# Altium PCB roach2.PcbDoc (part 30 of 39)
Units mil, origin at the board's own origin, x right, y up, seen from the top; angles counter-clockwise.
Board outline 12007.87 x 9606.3 mil, 16 copper layers (L1_TOP, L2_G, L3_S, L4_G, L5_S, L6_P, L7_G, L8_R, L9_R, L10_P, L11_P, L12_S, L13_P, L14_S, L15_G, L16_BOT), stack 81.651 mil thick; 1568 components, 1918 nets, 9251 pads, 6741 vias.
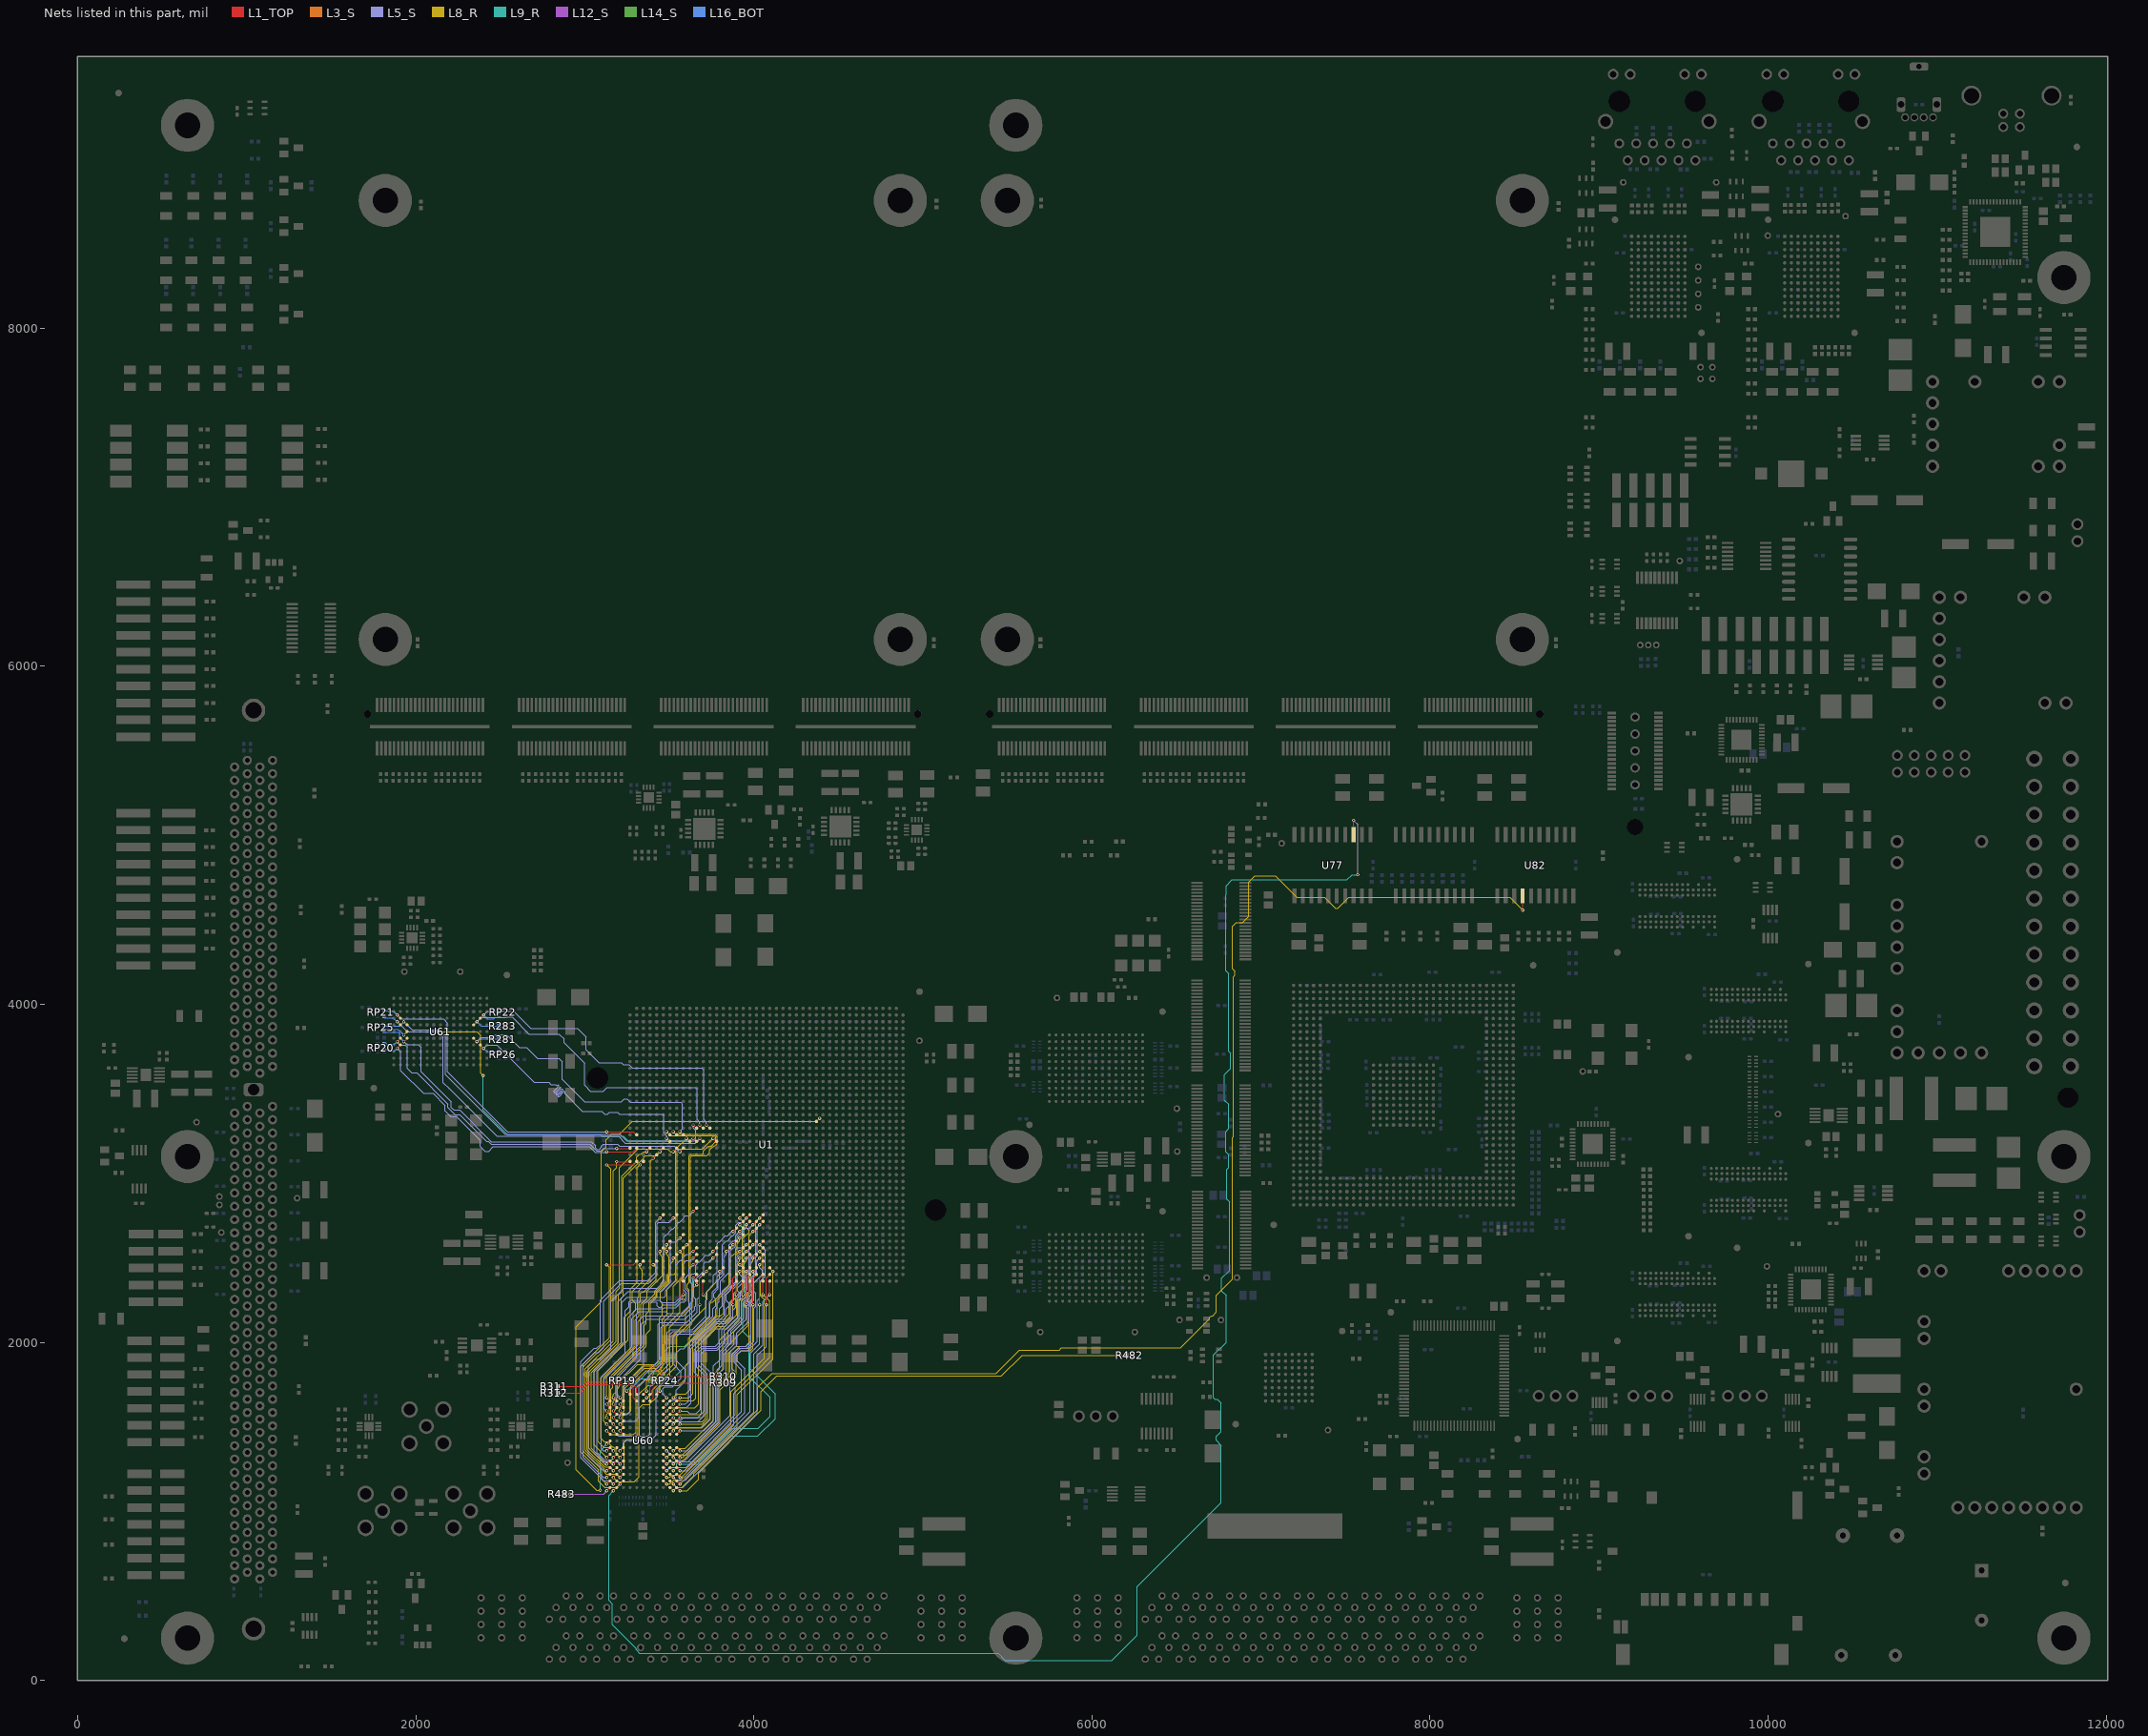
[diagram p44: the nets of this part, all layers, seen from the top]

## Via types
v1: diameter 19.4, hole 10, L1_TOP to L16_BOT, tented both sides, 3354 vias
v2: diameter 19.4, hole 10, L1_TOP to L16_BOT, 1954 vias
v3: diameter 19.4, hole 10, L1_TOP to L16_BOT, tented top, 429 vias
v4: diameter 18.6, hole 10, L1_TOP to L16_BOT, tented both sides, 311 vias
v5: diameter 59.06, hole 39.37, L1_TOP to L16_BOT, 217 vias
v6: diameter 19.4, hole 10.04, L1_TOP to L16_BOT, 125 vias
v7: diameter 19, hole 10, L1_TOP to L16_BOT, 93 vias
v8: diameter 19.4, hole 10, L1_TOP to L16_BOT, tented bottom, 80 vias
v9: diameter 25.98, hole 12.99, L1_TOP to L16_BOT, tented top, 55 vias
v10: diameter 20, hole 10, L1_TOP to L16_BOT, 53 vias
v11: diameter 59.06, hole 39.37, L1_TOP to L16_BOT, tented top, 44 vias
v12: diameter 20, hole 10, L1_TOP to L16_BOT, tented top, 16 vias
v13: diameter 19, hole 10, L1_TOP to L16_BOT, tented top, 5 vias
v14: diameter 25.98, hole 12.99, L1_TOP to L16_BOT, 4 vias
v15: diameter 50, hole 28, L1_TOP to L16_BOT, 1 vias

## Nets (pads, with @x,y where several pads share a name; then routed paths per layer and width w, separated by ;. In a path a pad name is that pad's centre, name@x,y a point inside that pad or via, vN(x,y) a via of type N, cw(c..) or ccw(c..) an arc to the next point about the centre after c; other vN are vias at no path point) (continued)
QDR2.BWN0: R309.1 U60.B7 | length 490.4
  L1_TOP w5: U60.B7@3385.83,1653.54 3405.51,1673.23 3405.51,1727.52 3437.99,1760 R309.1@3800.32,1760
QDR2.BWN1: R310.1 U60.A7 | length 488.4
  L1_TOP w5: U60.A7@3385.83,1692.6 3385.83,1742.83 3442.99,1800 R310.1@3800.32,1800
QDR2.BWN2: R311.1 U60.A5 | length 528.4
  L1_TOP w5: R311.1@2839.68,1740 2987.99,1740 3012.99,1765 3270,1765 3307.09,1727.91 U60.A5@3307.09,1692.6
QDR2.BWN3: R312.1 U60.B5 | length 561.3
  L1_TOP w5: R312.1@2839.68,1700 2970,1700 3021.65,1751.65 3263.35,1751.65 3287.4,1727.6 3287.4,1673.23 U60.B5@3307.09,1653.54
QDR2.D0: U1.AA41 U60.P10 | length 1562.3
  L1_TOP w5: U60.P10@3503.94,1181.1 v1(3523.62,1161.42) ; v2(4073.41,2222.29) 4073.41,2379.77 U1.AA41@4093.09,2399.46
  L5_S w3.8: v1(3523.62,1161.42) 3543.05,1141.99 3579.99,1141.99 4020.99,1582.99 4020.99,1921.99 4073.41,1974.41 v2(4073.41,2222.29)
QDR2.D1: U1.AB41 U60.N11 | length 1446.3
  L1_TOP w5: U60.N11@3543.31,1220.47 v1(3562.99,1200.79) ; v2(4034.53,2222.87) 4034.53,2380.35 U1.AB41@4054.22,2400.04
  L5_S w3.8: v1(3562.99,1200.79) 3563.2,1200.99 3589.99,1200.99 3977.99,1588.99 3977.99,1934.99 4034.53,1991.53 v2(4034.53,2222.87)
QDR2.D2: U1.AB36 U60.M11 | length 1699.2
  L1_TOP w5: U60.M11@3543.31,1259.84 v1(3562.99,1240.16) ; v1(4034.53,2577.2) U1.AB36@4054.22,2596.89
  L5_S w3.8: v1(3562.99,1240.16) 3602.16,1240.16 3947.99,1585.99 3947.99,1843.99 3902.56,1889.42 3902.56,1927.67 3925.89,1950.99 3964.99,1950.99 4018.93,2004.93 4018.93,2246.93 4032.99,2260.99 4032.99,2356.99 4067.99,2391.99 4067.99,2543.75 v1(4034.53,2577.2)
QDR2.D3: U1.AB33 U60.K10 | length 1720.6
  L1_TOP w5: U60.K10@3503.94,1338.58 v1(3523.62,1318.9) ; v1(4034.53,2695.31) U1.AB33@4054.22,2715
  L5_S w3.8: v1(3523.62,1318.9) 3539.59,1302.93 3594.93,1302.93 3860,1568 3860,1942 3898.99,1980.99 3898.99,2054.99 3971.39,2127.39 3971.39,2241.39 3991.08,2261.08 3991.08,2288.39 3975.99,2303.48 3975.99,2374.99 4010.76,2409.76 4010.76,2502.99 4018.93,2511.16 4018.93,2679.71 v1(4034.53,2695.31)
QDR2.D4: U1.AD42 U60.J11 | length 1233.1
  L1_TOP w5: U60.J11@3543.31,1377.95 v1(3562.99,1358.27) ; v2(3975.48,2281.93) U1.AD42@3975.48,2360.67
  L5_S w3.8: v1(3562.99,1358.27) 3563.27,1357.99 3605.99,1357.99 3783.49,1535.49 3783.49,1837.49 3809.99,1863.99 3809.99,1938.99 3865.99,1994.99 3865.99,2067.99 3940.19,2142.19 3940.19,2236.19 3949.99,2245.99 3960.99,2245.99 3975.48,2260.48 v2(3975.48,2281.93)
QDR2.D5: U1.AB32 U60.G11 | length 1596.4
  L1_TOP w5: U60.G11@3543.31,1456.69 v1(3562.99,1476.38) ; v1(4034.53,2734.68) U1.AB32@4054.22,2754.37
  L5_S w3.8: v1(3562.99,1476.38) 3703.38,1476.38 3761.99,1534.99 3761.99,1860.99 3798.99,1897.99 3798.99,1946.99 3847.99,1995.99 3847.99,2070.99 3927.99,2150.99 3927.99,2246.99 3951.71,2270.71 3951.71,2300.71 3961.99,2310.99 3961.99,2383.99 3979.56,2401.56 3979.56,2504.92 3988.7,2514.06 3997.06,2514.06 4010.76,2527.76 4010.76,2710.91 v1(4034.53,2734.68)
QDR2.D6: U1.AE40 U60.E10 | length 1286.5
  L1_TOP w5: U60.E10@3503.94,1535.43 v1(3523.62,1555.12) ; v1(3916.42,2419.72) U1.AE40@3936.11,2439.41
  L5_S w3.8: v1(3523.62,1555.12) 3539.22,1539.52 3569.46,1539.52 3582.93,1552.99 3666.99,1552.99 3709.99,1595.99 3709.99,1803.99 3660.99,1852.99 3660.99,1948.99 3689.56,1977.56 3772.67,1977.56 3793.42,1998.32 3793.42,2028.04 3793.04,2028.42 3793.04,2079.04 3839.99,2125.99 ; 3841.99,2127.99 3839.99,2125.99 ; v1(3916.42,2419.72) 3916.42,2402.41 3932.02,2386.81 3932.02,2371.02 3876.99,2315.99 3876.99,2244.87 3861.45,2229.34 3861.45,2147.45 3839.99,2125.99
QDR2.D7: U1.AD37 U60.D11 | length 1299.9
  L1_TOP w5: U60.D11@3543.31,1574.8 v1(3562.99,1594.49) ; v1(3955.79,2537.83) U1.AD37@3975.48,2557.52
  L5_S w3.8: v1(3562.99,1594.49) 3563.49,1593.99 3605.99,1593.99 3620.99,1578.99 3659.99,1578.99 3684.99,1603.99 3684.99,1785.99 3646.99,1823.99 3646.99,1956.99 3833.99,2143.99 3833.99,2197.12 3853.28,2216.41 3853.28,2229.34 3835.99,2246.63 3835.99,2282.61 3865.99,2312.61 3865.99,2322.49 3900.82,2357.32 3900.82,2506.07 3916.99,2522.23 3940.19,2522.23 v1(3955.79,2537.83)
QDR2.D8: U1.AC33 U60.C11 | length 1341.6
  L1_TOP w5: U60.C11@3543.31,1614.17 v1(3562.99,1633.86) ; v1(3995.16,2695.31) U1.AC33@4014.85,2715
  L5_S w3.8: v1(3562.99,1633.86) 3563.13,1633.99 3593.99,1633.99 3613.42,1653.42 3613.42,1968.42 3795.99,2150.99 3795.99,2198.49 3813.91,2216.41 3813.91,2302.41 3861.45,2349.95 3861.45,2544.3 3878.76,2561.6 3883.52,2561.6 3892.65,2570.74 3892.65,2599.08 3900.45,2606.88 3900.45,2623.81 3916.99,2640.34 3922.89,2640.34 3932.02,2649.48 3932.02,2654.24 3953.28,2675.49 3975.34,2675.49 v1(3995.16,2695.31) v1@3986.99,2695.31
QDR2.D9: U1.AA42 U60.N10 | length 1491.6
  L1_TOP w5: U60.N10@3503.94,1220.47 v1(3523.62,1200.79) ; v2(4093.59,2281.93) U1.AA42@4093.59,2360.67
  L5_S w3.8: v1(3523.62,1200.79) 3533.99,1190.42 3533.99,1188.99 3539.99,1182.99 3594.99,1182.99 3999.99,1587.99 3999.99,1930.99 4053.99,1984.99 4053.99,2242.33 v2(4093.59,2281.93)
QDR2.D10: U1.AB39 U60.M9 | length 1638.3
  L1_TOP w5: U60.M9@3464.57,1259.84 v1(3484.25,1240.16) ; v1(4034.53,2459.09) U1.AB39@4054.22,2478.78
  L5_S w3.8: v1(3484.25,1240.16) 3505.09,1260.99 3598.99,1260.99 3927.99,1589.99 3927.99,1835.99 3884.49,1879.49 3884.49,1929.49 3920.99,1965.99 3958.99,1965.99 3998.99,2005.99 3998.99,2202.99 4010.76,2214.76 4010.76,2290.77 3999.25,2302.28 3999.25,2352.25 4050.13,2403.13 4050.13,2426.18 4034.53,2441.78 v1(4034.53,2459.09)
QDR2.D11: U1.AB38 U60.L9 | length 1616.9
  L1_TOP w5: U60.L9@3464.57,1299.21 v1(3484.25,1279.53) ; v1(4034.53,2498.46) U1.AB38@4054.22,2518.15
  L5_S w3.8: v1(3484.25,1279.53) 3499.85,1295.13 3610.13,1295.13 3888.99,1573.99 3888.99,1823.99 3870,1842.98 3870,1930 3917.56,1977.56 3952.67,1977.56 3981.99,2006.89 3981.99,2211.56 3979.56,2213.98 3979.56,2234.56 3998.88,2253.88 3998.88,2291.62 3985.01,2305.49 3985.01,2372.98 4018.56,2406.53 4018.56,2482.49 v1(4034.53,2498.46)
QDR2.D12: U1.AD41 U60.J9 | length 1377.4
  L1_TOP w5: U60.J9@3464.57,1377.95 v1(3484.25,1358.27) ; v2(3955.79,2222.87) 3955.79,2380.35 U1.AD41@3975.48,2400.04
  L5_S w3.8: v1(3484.25,1358.27) 3508.02,1334.5 3601.5,1334.5 3795,1528 3795,1816 3822.99,1843.99 3822.99,1929.99 3881.99,1988.99 3881.99,2063.99 3955.79,2137.79 3955.79,2179.99 ; 3955.79,2177.99 3955.79,2179.99 ; v2(3955.79,2222.87) 3955.79,2179.99
QDR2.D13: U1.AC36 U60.G10 | length 1521.4
  L1_TOP w5: U60.G10@3503.94,1456.69 v1(3523.62,1476.38) ; v1(3995.16,2577.2) U1.AC36@4014.85,2596.89
  L5_S w3.8: v1(3523.62,1476.38) 3543.24,1495.99 3686.99,1495.99 3739.99,1548.99 3739.99,1824.99 3689.99,1874.99 3689.99,1933.99 3708.99,1952.99 3783.99,1952.99 3825.99,1994.99 3825.99,2069.99 3912.99,2156.99 3912.99,2253.99 3920.51,2261.51 3920.51,2295.51 3952.99,2327.99 3952.99,2394.86 3971.39,2413.26 3971.39,2553.43 v1(3995.16,2577.2)
QDR2.D14: U1.AE39 U60.F9 | length 1393.6
  L1_TOP w5: U60.F9@3464.57,1496.06 v1(3484.25,1515.75) ; v1(3916.42,2459.09) U1.AE39@3936.11,2478.78
  L5_S w3.8: v1(3484.25,1515.75) 3499.85,1531.35 3669.35,1531.35 3724.99,1586.99 3724.99,1813.99 3673.99,1864.99 3673.99,1941.99 3697.99,1965.99 3778.99,1965.99 3810.99,1997.99 3810.99,2075.99 3876.99,2141.99 3876.99,2190.99 3893.99,2207.99 3893.99,2254.99 3912.34,2273.34 3912.34,2295.64 3903.99,2303.99 3903.99,2323.99 3940.19,2360.19 3940.19,2435.32 v1(3916.42,2459.09)
QDR2.D15: U1.AD36 U60.D10 | length 1278
  L1_TOP w5: U60.D10@3503.94,1574.8 v1(3523.62,1594.49) ; v1(3955.79,2577.2) U1.AD36@3975.48,2596.89
  L5_S w3.8: v1(3523.62,1594.49) 3535.99,1606.86 3535.99,1606.99 3543.99,1614.99 3602.99,1614.99 3628.99,1640.99 3628.99,1962.99 3826.19,2160.19 3826.19,2206.2 3822.08,2210.3 3822.08,2229.34 3828.19,2235.44 3828.19,2295.72 3892.65,2360.18 3892.65,2552.65 3898.99,2558.99 3937.58,2558.99 v1(3955.79,2577.2)
QDR2.D16: U1.AE34 U60.C9 | length 1328.8
  L1_TOP w5: U60.C9@3464.57,1614.17 v1(3484.25,1633.86) ; v1(3916.42,2655.94) U1.AE34@3936.11,2675.63
  L5_S w3.8: v1(3484.25,1633.86) 3508.02,1657.63 3530.08,1657.63 3540.99,1668.54 3540.99,1716.99 3593.99,1769.99 3593.99,1838.99 3540.99,1891.99 3540.99,1936.99 3566.99,1962.99 3586.99,1962.99 3773.99,2149.99 3773.99,2195.99 3782.71,2204.71 3782.71,2229.34 3794.23,2240.85 3794.23,2281.99 3802.4,2290.16 3802.4,2362.38 3853.28,2413.26 3853.28,2576.62 3877.64,2600.97 3883.52,2600.97 3892.65,2610.11 3892.65,2632.17 v1(3916.42,2655.94)
QDR2.D17: U1.AG37 U60.B9 | length 1223
  L1_TOP w5: U60.B9@3464.57,1653.54 v1(3484.25,1673.23) ; v1(3837.68,2537.83) U1.AG37@3857.37,2557.52
  L5_S w3.8: v1(3484.25,1673.23) 3461.99,1695.49 3461.99,1724.99 3473.99,1736.99 3517.99,1736.99 3568.99,1787.99 3568.99,1824.99 3522.99,1870.99 3522.99,2029.99 3543.99,2050.99 3653.99,2050.99 3756.99,2153.99 3756.99,2198.86 3774.54,2216.41 3774.54,2254.81 3763.03,2266.33 3763.03,2291.03 3789.79,2317.79 3789.79,2369.79 3822.08,2402.08 3822.08,2504.92 3837.68,2520.52 v1(3837.68,2537.83)
QDR2.D18: U1.AJ37 U60.B3 | length 1334.8
  L1_TOP w5: v1(3208.66,1673.23) U60.B3@3228.35,1653.54 ; v1(3758.94,2537.83) U1.AJ37@3778.63,2557.52
  L5_S w3.8: v1(3208.66,1673.23) 3193.06,1688.83 3193.06,1765.06 3327.99,1899.99 3327.99,1957.99 ; 3327.99,1954.99 3327.99,1957.99 ; v1(3758.94,2537.83) 3735.17,2514.06 3713.11,2514.06 3703.97,2504.92 3703.97,2500.17 3678.5,2474.69 3673.74,2474.69 3656.43,2457.38 3656.43,2413.26 3647.3,2404.12 3636.12,2404.12 3625.23,2393.23 3625.23,2354.96 3636.75,2343.45 3636.75,2240.85 3625.23,2229.34 3625.23,2200.23 3582.99,2157.99 3345.99,2157.99 3327.99,2139.99 3327.99,1957.99
QDR2.D19: U1.AJ38 U60.C3 | length 1300.7
  L1_TOP w5: v1(3208.66,1633.86) U60.C3@3228.35,1614.17 ; v1(3758.94,2498.46) U1.AJ38@3778.63,2518.15
  L5_S w3.8: v1(3208.66,1633.86) 3230.99,1656.19 3230.99,1740.99 3348.99,1858.99 3348.99,2115.99 3369.99,2136.99 3591.99,2136.99 3649.99,2194.99 3649.99,2209.97 3656.43,2216.41 3656.43,2254.81 3644.92,2266.33 3644.92,2362.38 3703.97,2421.43 3703.97,2465.55 3713.11,2474.69 3735.17,2474.69 v1(3758.94,2498.46)
QDR2.D20: U1.AM39 U60.D2 | length 1300.1
  L1_TOP w5: v1(3169.29,1594.49) U60.D2@3188.98,1574.8 ; v1(3640.83,2459.09) U1.AM39@3660.52,2478.78
  L5_S w3.8: v1(3169.29,1594.49) 3173.49,1594.49 3184.89,1605.89 3184.89,1785.89 3307.99,1908.99 3307.99,2168.99 3321.99,2182.99 3478.99,2182.99 3489.59,2172.39 3573.04,2172.39 3617.06,2216.41 3617.06,2237.92 3613.99,2240.99 3613.99,2297.99 3592.99,2318.99 3592.99,2380.05 3617.06,2404.12 3617.06,2435.32 v1(3640.83,2459.09)
QDR2.D21: U1.AL41 U60.F3 | length 1242.2
  L1_TOP w5: v1(3208.66,1515.75) U60.F3@3228.35,1496.06 ; v2(3680.2,2222.87) 3680.2,2380.35 U1.AL41@3699.89,2400.04
  L5_S w3.8: v1(3208.66,1515.75) 3225.9,1532.99 3293.99,1532.99 3319.99,1558.99 3319.99,1740.99 3450.99,1871.99 3450.99,2085.99 3467.99,2102.99 3615.99,2102.99 3680.2,2167.2 v2(3680.2,2222.87)
QDR2.D22: U1.AF34 U60.G2 | length 1786.2
  L1_TOP w5: v1(3169.29,1476.38) U60.G2@3188.98,1456.69 ; v1(3877.05,2655.94) U1.AF34@3896.74,2675.63
  L5_S w3.8: v1(3169.29,1476.38) 3199.68,1445.99 3372.99,1445.99 3384.99,1457.99 3384.99,1735.99 3487.99,1838.99 3487.99,1913.99 ; 3487.99,1910.99 3487.99,1913.99 ; v1(3877.05,2655.94) 3868.88,2655.94 3845.11,2632.17 3831.22,2632.17 3813.91,2614.87 3813.91,2610.11 3796.61,2592.8 3791.85,2592.8 3782.71,2583.67 3782.71,2417.71 3761.99,2396.99 3761.99,2341.99 3723.66,2303.66 3723.66,2254.66 3715.99,2246.99 3715.99,2154.99 3636.99,2075.99 3505.99,2075.99 3487.99,2057.99 3487.99,1913.99
QDR2.D23: U1.AD32 U60.J3 | length 1923.5
  L1_TOP w5: v1(3208.66,1358.27) U60.J3@3228.35,1377.95 ; v1(3955.79,2734.68) U1.AD32@3975.48,2754.37
  L5_S w3.8: v1(3208.66,1358.27) 3219.49,1369.1 3219.49,1369.49 3227.99,1377.99 3227.99,1402.99 3245.99,1420.99 3390.99,1420.99 3422.99,1452.99 3422.99,1722.99 3504.99,1804.99 3504.99,2046.99 3521.99,2063.99 3644.99,2063.99 3738.99,2157.99 3738.99,2238.99 3754.86,2254.86 3754.86,2297.86 3763.99,2306.99 ; 3762.99,2306.99 3763.99,2306.99 ; v1(3955.79,2734.68) 3932.02,2710.91 3909.96,2710.91 3892.65,2693.61 3892.65,2649.48 3875.35,2632.17 3870.59,2632.17 3861.45,2623.04 3861.45,2618.28 3844.15,2600.97 3836.9,2600.97 3813.91,2577.99 3813.91,2413.26 3804.78,2404.12 3797.99,2404.12 3781.99,2388.12 3781.99,2324.99 3763.99,2306.99
QDR2.D24: U1.AP35 U60.L3 | length 1844.2
  L1_TOP w5: v1(3208.66,1279.53) U60.L3@3228.35,1299.21 ; v1(3562.09,2616.57) U1.AP35@3581.78,2636.26
  L5_S w3.8: v1(3208.66,1279.53) 3193.06,1295.13 3105.86,1295.13 3056.99,1343.99 3056.99,1837.99 3196.99,1977.99 3196.99,2241.99 3254.99,2299.99 3451.99,2299.99 3507.12,2355.12 3507.12,2583.67 3516.26,2592.8 3538.32,2592.8 v1(3562.09,2616.57)
QDR2.D25: U1.AR20 U60.M3 | length 2649.4
  L1_TOP w5: v1(3208.66,1239.53) U60.M3@3228.35,1259.21 ; v1(3522.72,3246.5) 3542.09,3227.13 U1.AR20@3542.41,3226.81
  L8_R w3.8: v1(3208.66,1239.53) 3232.43,1263.29 3232.43,1410.43 3248,1426 3296,1426 3316,1446 3316,1688 3374,1746 3400,1746 3520,1866 3520,2036 3598,2114 3598,2170 3636.75,2208.75 3636.75,2343.45 3625.23,2354.96 3625.23,3095.48 3634.37,3104.61 3720.61,3104.61 3738,3122 3738,3138 3758,3158 3764,3158 3782.34,3176.34 3782.34,3216.82 3768.64,3230.53 3538.69,3230.53 v1(3522.72,3246.5)
QDR2.D26: U1.AF36 U60.N2 | length 1917
  L1_TOP w5: v1(3169.29,1200.16) U60.N2@3188.98,1219.84 ; v1(3877.05,2577.2) U1.AF36@3896.74,2596.89
  L8_R w3.8: v1(3169.29,1200.16) 3192.43,1177.02 3293.86,1177.02 3320,1203.15 3320,1435.17 3323.8,1438.97 3323.8,1611.8 3344,1632 3380,1632 3429.28,1681.28 3429.28,1719.06 3456.22,1746 3558,1746 3596,1784 3596,1863.48 3613.42,1880.9 3613.42,2025.42 3740,2152 3740,2228 3750,2238 3752.01,2238 3752.48,2238.47 3758.47,2238.47 3853.65,2333.65 3853.65,2553.8 v1(3877.05,2577.2)
QDR2.D27: U1.AM38 U60.C1 | length 1305.6
  L1_TOP w5: v1(3129.92,1633.86) U60.C1@3149.61,1614.17 ; v1(3640.83,2498.46) U1.AM38@3660.52,2518.15
  L5_S w3.8: v1(3129.92,1633.86) 3149.99,1653.93 3149.99,1777.99 3287.99,1915.99 3287.99,2178.99 3307.99,2198.99 3464.99,2198.99 3470.02,2204.02 3536.96,2204.02 3571.79,2238.86 3589.56,2238.86 3600.99,2250.29 3600.99,2292.99 3581.99,2311.99 3581.99,2464.23 3600.62,2482.86 3625.23,2482.86 v1(3640.83,2498.46)
  L16_BOT w10: v1(3640.83,2498.46) v1@3640.83,2500.43
QDR2.D28: U1.AP41 U60.D1 | length 1255.2
  L1_TOP w5: v1(3129.92,1594.49) U60.D1@3149.61,1574.8 ; U1.AP41@3581.78,2400.04 3562.09,2380.35 3562.09,2275.46 v2(3583.09,2254.46)
  L5_S w3.8: v1(3129.92,1594.49) 3127.49,1594.49 3114.32,1607.66 3114.32,1784.32 3270.9,1940.9 3270.9,2229.34 3280.04,2238.47 3421.51,2238.47 3428.38,2231.6 3428.38,2216.41 3437.52,2207.27 3450.44,2207.27 3465.16,2221.99 3536.99,2221.99 3569.46,2254.46 v2(3583.09,2254.46)
QDR2.D29: U1.AK40 U60.E2 | length 1279.5
  L1_TOP w5: v1(3169.29,1555.12) U60.E2@3188.98,1535.43 ; v1(3719.57,2419.72) U1.AK40@3739.26,2439.41
  L5_S w3.8: v1(3169.29,1555.12) 3187.16,1572.99 3248.99,1572.99 3266.99,1590.99 3266.99,1720.99 3433.99,1887.99 3433.99,1896.99 ; 3433.99,1898.99 3433.99,1896.99 ; v1(3719.57,2419.72) 3680,2380.15 3680,2270.21 3664.6,2254.81 3664.6,2179.6 3602.99,2117.99 3444.99,2117.99 3433.42,2106.42 3433.42,1897.56 3433.99,1896.99
QDR2.D30: U1.AT20 U60.G1 | length 2580.1
  L1_TOP w5: v1(3129.92,1476.38) U60.G1@3149.61,1456.69 ; v1(3483.35,3246.5) 3502.72,3227.13 U1.AT20@3503.04,3226.81
  L8_R w3.8: v1(3129.92,1476.38) 3152.3,1454 3288,1454 3303,1469 3303,1703 3302,1704 3302,1728 3354,1780 3406,1780 3500,1874 3500,2090 3617.06,2207.06 3617.06,2309.87 3605.55,2321.38 3605.55,2343.45 3617.06,2354.96 3617.06,3103.06 3626.78,3112.78 3695.8,3112.78 3702,3118.98 3702,3132.87 3731.13,3162 3748,3162 3774.54,3188.54 3774.54,3213.59 3765.41,3222.73 3507.12,3222.73 v1(3483.35,3246.5)
QDR2.D31: U1.AP42 U60.J1 | length 1430.7
  L1_TOP w5: v1(3129.92,1358.27) U60.J1@3149.61,1377.95 ; v2(3581.78,2281.93) U1.AP42@3581.78,2360.67
  L5_S w3.8: v1(3129.92,1358.27) 3129.19,1358.99 3109.99,1358.99 3096.99,1371.99 3096.99,1794.99 3239.99,1937.99 3239.99,2188.99 3262.73,2211.73 3262.73,2239.73 3272.99,2249.99 3441.5,2249.99 3456.63,2234.86 3534.71,2234.86 v2(3581.78,2281.93)
QDR2.D32: U1.AM37 U60.K2 | length 1751
  L1_TOP w5: v1(3169.29,1318.9) U60.K2@3188.98,1338.58 ; v1(3640.83,2537.83) U1.AM37@3660.52,2557.52
  L5_S w3.8: v1(3169.29,1318.9) 3169.29,1314.29 3157.93,1302.93 3118.06,1302.93 3071.99,1348.99 3071.99,1829.99 3219.99,1977.99 3219.99,2236.99 3249.33,2266.33 3470.13,2266.33 3479.27,2275.47 3479.27,2305.7 3538.32,2364.75 3538.32,2457.38 3563.8,2482.86 3568.56,2482.86 3577.69,2492 3577.69,2496.94 3602.99,2522.23 3617.06,2522.23 3632.66,2537.83 v1(3640.83,2537.83)
QDR2.D33: U1.AM31 U60.M1 | length 2051.9
  L1_TOP w5: v1(3129.92,1240.16) U60.M1@3149.61,1259.84 ; v1(3640.83,2774.05) U1.AM31@3660.52,2793.74
  L5_S w3.8: v1(3129.92,1240.16) 3110.83,1240.16 3022.99,1327.99 3022.99,1857.99 3064.99,1899.99 3088.99,1899.99 3154.99,1965.99 3154.99,2242.99 3233.38,2321.38 3430.76,2321.38 3467.38,2358.01 3467.38,2622.67 3485.06,2640.34 3489.81,2640.34 3498.95,2649.48 3498.95,2654.24 3516.26,2671.54 3521.01,2671.54 3546.49,2697.02 3546.49,2701.78 3555.63,2710.91 3560.39,2710.91 3585.86,2736.39 3585.86,2741.15 3595,2750.28 3617.06,2750.28 v1(3640.83,2774.05)
QDR2.D34: U1.AR32 U60.N1 | length 2024.1
  L1_TOP w5: v1(3129.92,1200.79) U60.N1@3149.61,1220.47 ; v1(3522.72,2734.68) U1.AR32@3542.41,2754.37
  L5_S w3.8: v1(3129.92,1200.79) 3108.2,1200.79 2989.99,1318.99 2989.99,1870.99 3058.99,1939.99 3081.99,1939.99 3111.99,1969.99 3111.99,2243.99 3216.99,2348.99 3376.99,2348.99 3428.38,2400.38 3428.38,2701.78 3437.52,2710.91 3498.95,2710.91 v1(3522.72,2734.68)
QDR2.D35: U1.AU32 U60.P2 | length 2031.6
  L1_TOP w5: v1(3169.29,1161.42) U60.P2@3188.98,1181.1 ; v1(3443.98,2734.68) U1.AU32@3463.67,2754.37
  L5_S w3.8: v1(3169.29,1161.42) 3169.29,1162.69 3149.99,1181.99 3111.99,1181.99 2975.99,1317.99 2975.99,1885.66 3055.99,1965.66 3070.78,1965.66 3091.54,1986.42 3091.54,2251.54 3204.75,2364.75 3371.7,2364.75 3420.21,2413.26 3420.21,2710.91 v1(3443.98,2734.68)
QDR2.DOFFN: U1.P18 U60.H1 | length 3876.9
  L1_TOP w5: v1(3129.92,1397.64) U60.H1@3149.61,1417.32 ; U1.P18@4369.18,3305.55 4370.4,3306.77 v1(4388.87,3325.24)
  L8_R w3.8: v2(3090.99,1124.99) 3070.99,1124.99 2948.99,1246.99 2948.99,2090.99 3098.99,2240.99 3098.99,3126.99 3126.99,3154.99 3126.99,3198.99 3160.99,3232.99 3206.99,3232.99 3280.99,3306.99 4370.62,3306.99 v1(4388.87,3325.24)
  L9_R w3.8: v2(3090.99,1124.99) 3090.99,1358.71 v1(3129.92,1397.64)
QDR2.K: U1.AH40 U60.B6 | length 983
  L1_TOP w5: U60.B6@3346.46,1653.54 v1(3366.14,1673.23) ; v1(3798.31,2419.72) U1.AH40@3818,2439.41
  L8_R w3.8: v1(3366.14,1673.23) 3369.23,1673.23 3400,1704 3400,1718 3542.56,1860.56 3542.56,2034.56 3718,2210 3718,2296 3798.31,2376.31 v1(3798.31,2419.72)
QDR2.KN: U1.AM42 U60.A6 | length 983
  L1_TOP w5: U60.A6@3346.46,1692.91 v1(3366.14,1712.6) ; v1(3661.42,2341.42) U1.AM42@3661.42,2362.2
  L3_S w3.94: v1(3366.14,1712.6) 3366.14,1771.65 3405.72,1811.23 ccw(c3398.71,1818.23) 3405.72,1825.24 3387.71,1843.24 cw(c3394.72,1850.24) 3387.71,1857.25 cw(c3394.72,1850.24) 3401.72,1857.25 3426.73,1832.24 3451.73,1807.24 ccw(c3458.74,1814.24) 3465.74,1807.24 ccw(c3458.74,1814.24) 3465.74,1821.24 3447.74,1839.24 cw(c3454.75,1846.25) 3447.74,1853.25 3464.57,1870.08 3464.57,1988.19 3543.31,2066.93 3590.55,2066.93 3633.86,2110.24 3633.86,2313.86 v1(3661.42,2341.42)